# Altium PCB Copy of pcb-4layer-1oz-1.6mm.PcbDoc (part 2 of 3)
Units mm, origin at the board's own origin, x right, y up, seen from the top; angles counter-clockwise.
Board outline 208.5 x 86.9 mm, 4 copper layers (Top Layer, MID1, MID2, Bottom Layer), stack 1.579 mm thick; 542 components, 426 nets, 1550 pads, 320 vias.
Unrouted connection lines stored in the file: 532.
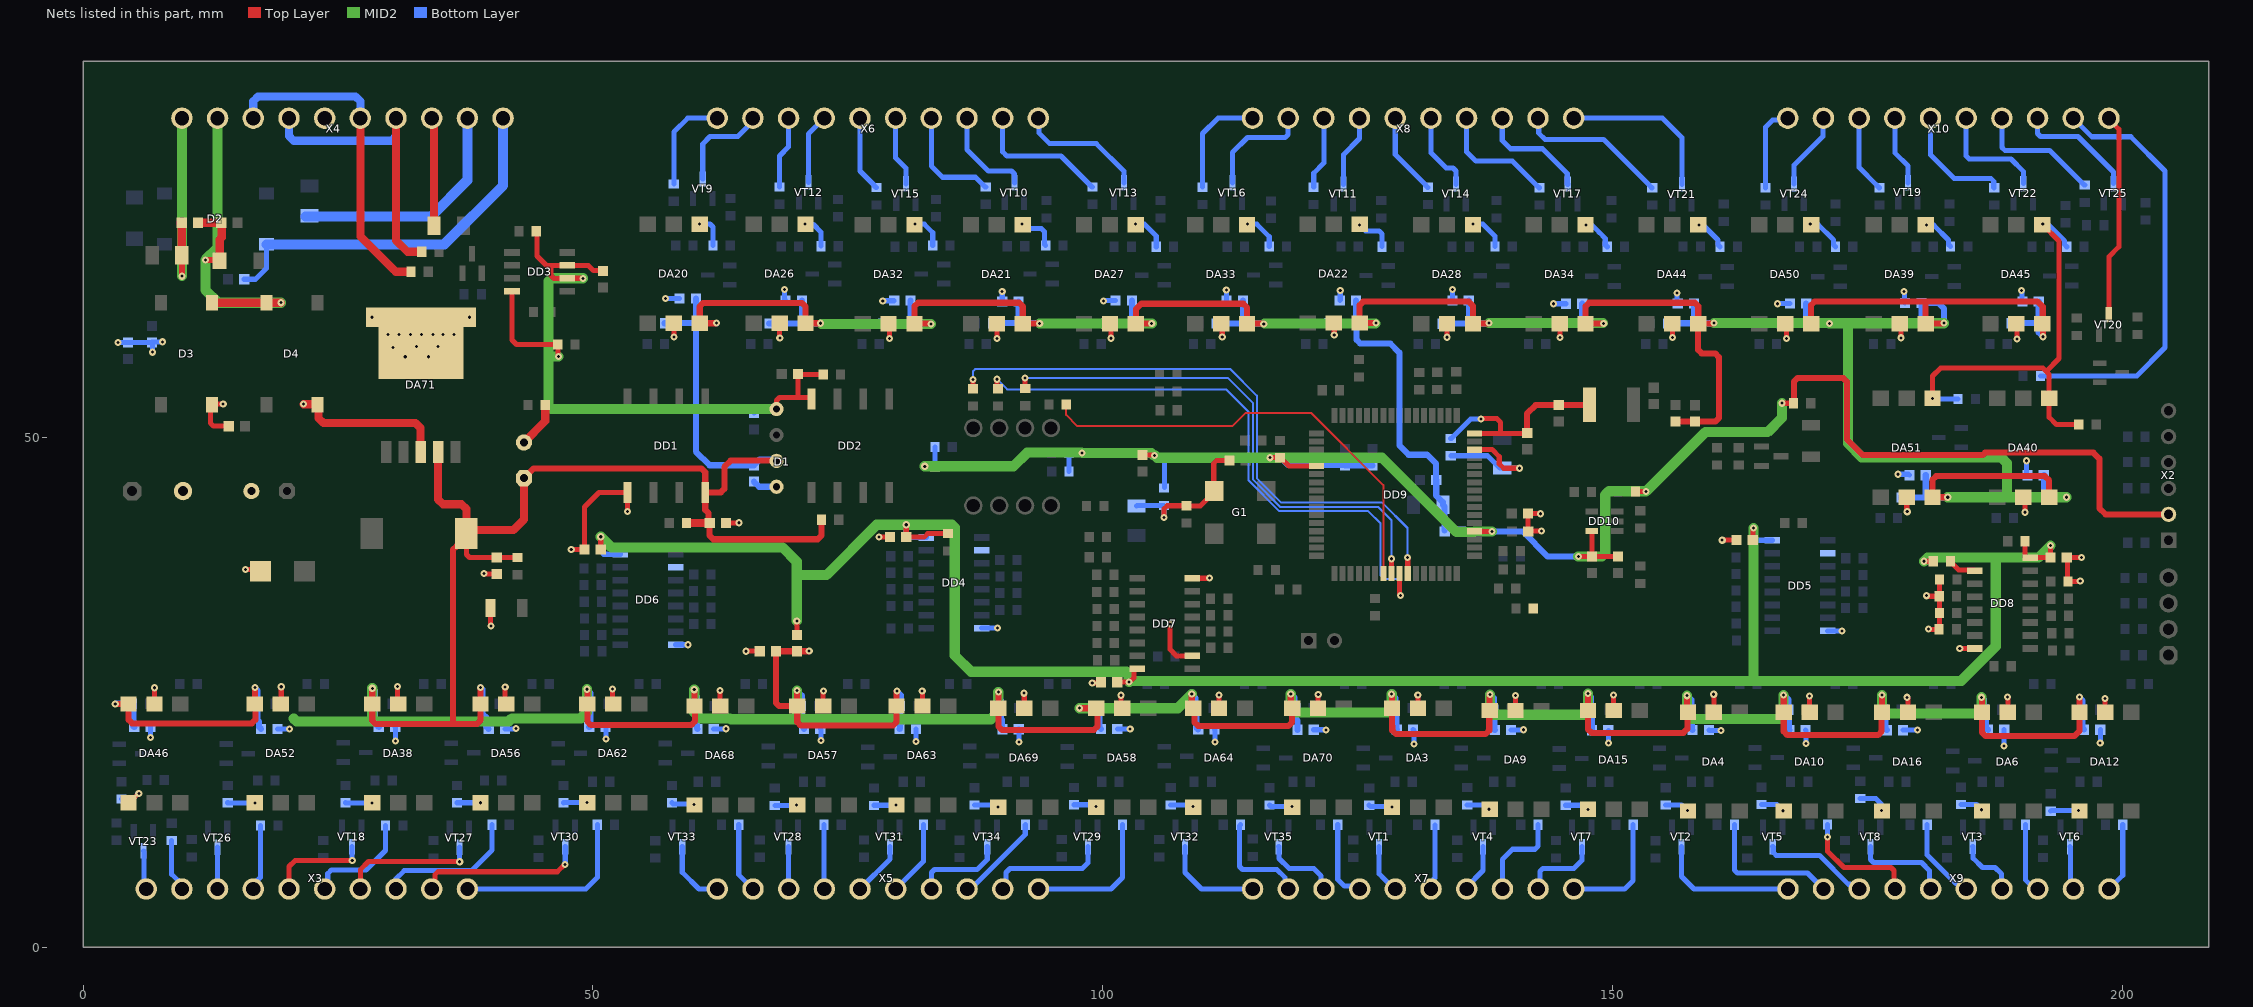
[diagram p4: the nets of this part, all layers, seen from the top]

## Part data
C1 C2 C3 C4 C5 C6 C7 C8 C9 C10 C11 C12 C13 C14 C15 C16 C17 C18 C19 C20 C21 C22 C23 C24 C25 C26 C27 C28 C29 C30 C31 C32 C33 C34 C35 C43 C44 C45 C46 C47 C48 C50 C51 C53 C54 C55 C56 C57 C58 C60 C61 C63 C70 C71: library part GRM188R71C104KA01D, Manufacturer="Murata Manufacturing", Power/Voltage=16V, TemperatureMax=125, TemperatureMin=-55, Tolerance=±10%, Comments=C0603, Height=0.9, ID=Конденсатор, iii="Конденсатор GRM188R71C104KA01D 100n 16V ±10% C0603 X7R  Murata Manufacturing", Package=C0603, Part Number=GRM188R71C104KA01D, TKE=X7R, Код=22
C36 C37 C38 C39 C40: library part GRM188R72A104KA35D, Manufacturer="Murata Manufacturing", Power/Voltage=100V, TemperatureMax=125, TemperatureMin=-55, Tolerance=±10%, Comments=C0603, Height=0.9, ID=Конденсатор, iii="Конденсатор GRM188R72A104KA35D 100n 100V ±10% C0603 X7R  Murata Manufacturing", Package=C0603, Part Number=GRM188R72A104KA35D, TKE=X7R, Код=24
C41 C59 C64 C65 C66: library part GRM1885C1H220JA01D, Manufacturer="Murata Manufacturing", Power/Voltage=50V, TemperatureMax=125, TemperatureMin=-55, Tolerance=±5%, Comments=C0603, ID=Конденсатор, iii="Конденсатор GRM1885C1H220JA01D 22p 50V ±5% C0603 c0g Murata Manufacturing", Package=C0603, Part Number=GRM1885C1H220JA01D, TKE=c0g, Код=80
C42: library part GRM188R71E104KA01D, Manufacturer="Murata Manufacturing", Power/Voltage=25V, TemperatureMax=125, TemperatureMin=-55, Tolerance=±10%, Comments=C0603, Height=0.9, ID=Конденсатор, iii="Конденсатор GRM188R71E104KA01D 100n 25V ±10% C0603 X7R  Murata Manufacturing", Package=C0603, Part Number=GRM188R71E104KA01D, TKE=X7R, Код=23
C49 C52 C62: library part GRM31CR71E106KA12L, Manufacturer="Murata Manufacturing", Power/Voltage=25V, TemperatureMax=125, TemperatureMin=-55, Tolerance=±10%, Comments=C1206, Height=1,5, ID=Конденсатор, iii="Конденсатор GRM31CR71E106KA12L 10mk 25V ±10% C1206 X7R  Murata Manufacturing", Package=C1206, Part Number=GRM31CR71E106KA12L, TKE=X7R, Код=62
C67: library part Capacitors_Aluminium, "ECAP (К50-35), 470мкФ, 35В, 105°C, 20%, 10x17мм P:5мм", Manufacturer="JB Capacitors", Package=D10H17P5, PartNumber=JRB1V471M05001000170000B, Temperature=-55...+105°C, Tolerance=±20%, TypeCapacitor="Aluminium capacitor", Voltage=35V, Impedance=54mOhm, ValueManufacturerPartNumber="Aluminium capacitor, 470μF, 35V, ±20%, 54mOhm, D10H17P5, -55...+105°C"
C68 C69: library part Capacitors_Aluminium, "ECAP (К50-35), 220мкФ, 35В, 105°C, 20%, 8x12мм P:3.5мм, Конденсатор электролитический алюминиевый", Manufacturer="JB Capacitors", Package=D8C3.5H12, PartNumber=JRB1V221M03500800120000B, Temperature=-55...+105°C, Tolerance=±20%, TypeCapacitor="Aluminium capacitor", Voltage=35V, Impedance=54mOhm, ValueManufacturerPartNumber="Aluminium capacitor, 220μF, 35V, ±20%, 54mOhm, D8C3.5H12, -55...+105°C"
D1: library part B0505S-1WR2, "DC/DC converter", Manufacturer=Mornsun, OutputVoltage="5V 200mA", Package=SIP-4, Temperature=-40...+105°C, ComponentType="DC/DC converter", HelpURL=https://www.chipdip.ru/product/b0505s-1wr2, OutputType=isolator, PartNumber=B0505S-1WR2, ValueManufacturerPartNumber="DC/DC converter, isolator, 5V 200mA, -40...+105°C, SIP-4"
D2 D3 D4: "SINGLE-PHASE SURFACE MOUNT BRIDGE RECTIFIER", Manufacturer="DC COMPONENTS", Power/Voltage=50V, TemperatureMax=150, TemperatureMin=-55, Com=DB101S, ComponentLink1Description=Datasheet, ComponentLink1URL=\\server_altium\ServerShare\Schematic\pdf\DB101S.pdf, ID="Диодный мост", iii="Диодный мост DB101S 1A 50V    DC COMPONENTS", Part Number=DB101S, Код=5
DA1 DA2 DA5 DA7 DA8 DA11 DA13 DA14 DA17 DA18 DA19 DA23 DA24 DA25 DA29 DA30 DA31 DA35 DA36 DA37 DA41 DA42 DA43 DA47 DA48 DA49 DA53 DA54 DA55 DA59 DA60 DA61 DA65 DA66 DA67: "Integrated Circuit", Manufacturer_Name="Texas Instruments", Mouser Part Number=595-TL431ACDBZR, Arrow Part Number=TL431ACDBZR, Arrow Price/Stock=https://www.arrow.com/en/products/tl431acdbzr/texas-instruments?region=nac, Datasheet Link=https://datasheet.datasheetarchive.com/originals/distributors/SFDatasheet-6/sf-000131849.pdf, Manufacturer_Part_Number=TL431ACDBZR, Mouser Price/Stock=https://www.mouser.co.uk/ProductDetail/Texas-Instruments/TL431ACDBZR?qs=odmYgEirbwzMcBuFx%2Fo8hQ%3D%3D, PartNumber=TL431ACDBZR
DA3 DA4 DA6 DA9 DA10 DA12 DA15 DA16 DA20 DA21 DA22 DA26 DA27 DA28 DA32 DA33 DA34 DA38 DA39 DA40 DA44 DA45 DA46 DA50 DA51 DA52 DA56 DA57 DA58 DA62 DA63 DA64 DA68 DA69 DA70: "Integrated Circuit", Manufacturer_Name="Iso Com", Datasheet Link=http://isocom.com/wp-content/uploads/2017/09/DD93224-H11L1_H11L1V-110817.pdf, Height=4.6mm, Manufacturer_Part_Number=H11L1SM, PartNumber=H11L1SM
DA71: "Integrated Circuit", Manufacturer_Name="Texas Instruments", Mouser Part Number=926-LM2596S-50, Arrow Part Number=LM2596S-5.0, Arrow Price/Stock=https://www.arrow.com/en/products/lm2596s-5.0/texas-instruments?region=nac, Datasheet Link=https://www.ti.com/lit/gpn/LM2596, Mouser Price/Stock=https://www.mouser.co.uk/ProductDetail/Texas-Instruments/LM2596S-5.0?qs=X1J7HmVL2ZGcOr96VNr%252B%2Fw%3D%3D, PartNumber=LM2596S-5.0
DD1 DD2: "Integrated Circuit", Manufacturer_Name="ON Semiconductor", Mouser Part Number=512-6N137SDM, Arrow Part Number=6N137SDM, Arrow Price/Stock=https://www.arrow.com/en/products/6n137sdm/on-semiconductor?region=nac, Datasheet Link=https://www.onsemi.com/pub/Collateral/HCPL2631M-D.pdf, Height=5.08mm, Mouser Price/Stock=https://www.mouser.co.uk/ProductDetail/ON-Semiconductor-Fairchild/6N137SDM?qs=wuRI32rFNSFC%252BTbDLj3kvw%3D%3D, PartNumber=6N137SDM
DD3: "Integrated Circuit", Manufacturer_Name="Maxim Integrated", Mouser Part Number=700-MAX13487EESA, Datasheet Link=http://docs-emea.rs-online.com/webdocs/13e4/0900766b813e41ed.pdf, Height=1.75mm, Mouser Price/Stock=https://www.mouser.co.uk/ProductDetail/Maxim-Integrated/MAX13487EESA%2b?qs=1THa7WoU59G338ZrcGWwYw%3D%3D, PartNumber=MAX13487EESA+
DD4 DD5 DD6 DD7 DD8: "Integrated Circuit", Arrow Part Number=74HC165D(BJ), Manufacturer_Name=Toshiba, Mouser Part Number=757-74HC165DBJ, Arrow Price/Stock=https://www.arrow.com/en/products/74hc165d-bj/toshiba?region=nac, Datasheet Link=https://www.arrow.com/en/products/74hc165d-bj/toshiba?region=nac, Height=1.75mm, Mouser Price/Stock=https://www.mouser.co.uk/ProductDetail/Toshiba/74HC165DBJ?qs=lQAVKuKFhkJom8fGze1o7Q%3D%3D, PartNumber=74HC165D(BJ)
DD9: "Integrated Circuit", Manufacturer_Name=Microchip, Mouser Part Number=556-ATMEGA64A-AU, Arrow Price/Stock=https://www.arrow.com/en/products/atmega64a-au/microchip-technology?region=nac, Datasheet Link=https://datasheet.datasheetarchive.com/originals/distributors/Datasheets_SAMA/61cd3663d987104d1956c12d3ceac457.pdf, Height=1.2mm, Manufacturer_Part_Number=ATMEGA64A-AU, Mouser Price/Stock=https://www.mouser.co.uk/ProductDetail/Microchip-Technology-Atmel/ATMEGA64A-AU?qs=RwPDB89%252B8xSA448I6y2Ecg%3D%3D, Part Number=ATMEGA64A-AU
DD10: "Integrated Circuit", Manufacturer_Name=STMicroelectronics, Mouser Part Number=511-STWD100NYWY3F, Arrow Part Number=STWD100NYWY3F, Arrow Price/Stock=https://www.arrow.com/en/products/stwd100nywy3f/stmicroelectronics?region=nac, Datasheet Link=https://datasheet.datasheetarchive.com/originals/distributors/Datasheets-DGA25/1683135.pdf, Height=1.45mm, Mouser Price/Stock=https://www.mouser.co.uk/ProductDetail/STMicroelectronics/STWD100NYWY3F?qs=jWm4idrLpzx15dHtESXwMQ%3D%3D, PartNumber=STWD100NYWY3F
FU1: library part Fuse, Manufacturer=1206-13V-075A-1, MaxCurrent=0.75A, Package=1206, VoltageMax=13, PartNumber=1206-13V-075A-1, ValueManufacturerPartNumber=", 13, 0.75A, 1206,"
FU2: library part Fuse, Manufacturer=046602.5NR, MaxCurrent=2.5A, Package=1206, VoltageMax=13, PartNumber=046602.5NR, ValueManufacturerPartNumber=", 13, 2.5A, 1206,"
G1: library part CSX-750FCC, "Кварцевый генератор 16МГц 5В,HCMOS/TTL в корпусе SMD 7x5мм; гк 16000 \\SMD07050C4\T/CM\5В\ CSX-750FCC\CITIZEN", Manufacturer_Name="Citizen Finetech Miyota", Datasheet Link=https://www.chipdip.ru/product0/8004482821, Height=1.6mm, Manufacturer_Part_Number=CSX-750FCC, Mouser Price/Stock=https://www.chipdip.ru/product0/8004482821, PartNumber=CSX-750FCC
L1 L2 L3 L4 L5: Package=L0603, Power/Voltage=3A, Com=BLM18PG330SN1D, ID="Ферритовая бусина", iii="Ферритовая бусина BLM18PG330SN1D 33 Ohm 3A  L0603", Part Number=BLM18PG330SN1D, Код=22
L6: library part B82432-A1103-K, Manufacturer=Epcos, Tolerance=±10%, Com=L1812, ID=Индуктивность, iii="Индуктивность B82432-A1103-K 10mk  ±10% L1812  Epcos", Package=L1812, Part Number=B82432-A1103-K, Код=16
L7: library part Inductor_, "CDRH104RNP-330NC", Manufacturer=Sumida, MaxCurrent=2.2A, Temperature=-55...+125°C, Tolerance=±20%, TypeInductor="Fixed inductor", Package=CDRH104RNP-330NC, PartNumber=CDRH104RNP-330NC, ValueManufacturerPartNumber="Fixed inductor, 33μH, ±20%, CDRH104RNP-330NC, 2.2A, -55...+125°C"
LED1 LED2: "LED", Manufacturer_Name=Lite-On, Mouser Part Number=859-LTST-C150KSKT, Arrow Part Number=LTST-C150KSKT, Arrow Price/Stock=https://www.arrow.com/en/products/ltst-c150kskt/lite-on-technology?region=nac, Datasheet Link=https://componentsearchengine.com/Datasheets/1/LTST-C150KSKT.pdf, Height=1.1mm, Manufacturer_Part_Number=LTST-C150KSKT, Mouser Price/Stock=https://www.mouser.co.uk/ProductDetail/Lite-On/LTST-C150KSKT?qs=BwFLjhzUaKkzXUKRSgwLjg%3D%3D
R1 R2 R5 R18 R19 R27 R35 R36 R49 R50 R51 R67 R68 R69 R85 R86 R87 R103 R104 R105 R121 R122 R123 R139 R140 R141 R157 R158 R159 R175 R176 R177 R193 R194 R195: library part RC0603FK-071KL, Manufacturer=Тайвань, Power/Voltage=0.063W/50V, TemperatureMax=155, TemperatureMin=-55, Tolerance=±1%, Comments=R0603, ID=Резистор, iii="Резистор RC0603FK-071KL 1k 0.063W/50V ±1% R0603  Тайвань", Package=R0603, Part Number=RC0603FK-071KL, Код=31
R3 R4 R6 R7 R8 R13 R15 R16 R20 R21 R22 R23 R24 R30 R31 R32 R33 R37 R38 R40 R41 R42 R47 R48 R52 R53 R54 R55 R56 R57 R64 R65 R66 R70 R71 R72 R73 R74 R77 R82 R83 R84 R88 R89 R90 R91 R92 R93 R100 R101 R102 R106 R107 R108 R109 R110 R111 R118 R119 R120 R124 R125 R126 R127 R128 R131 R136 R137 R138 R142 R143 R144 R145 R146 R147 R154 R155 R156 R160 R161 R162 R163 R164 R165 R172 R173 R174 R178 R179 R180 R181 R182 R185 R190 R191 R192 R196 R197 R198 R199 R200 R201 R208 R209 R210 R220 R221 R222 R223 R224 R225 R226 R227 R228 R229 R230 R231 R232 R234 R235 R236 R237 R238 R239 R241 R242 R243 R244 R246 R247 R248 R249 R250 R251 R252 R253 R254 R255 R256 R257 R258 R259 R260 R261 R262 R263 R264 R265 R269 R270 R271 R272: library part RC0603FK-0722RL, Manufacturer=Тайвань, Power/Voltage=0.063W/50V, TemperatureMax=155, TemperatureMin=-55, Tolerance=±1%, Comments=R0603, ID=Резистор, iii="Резистор RC0603FK-0722RL 22 0.063W/50V ±1% R0603  Тайвань", Package=R0603, Part Number=RC0603FK-0722RL, Код=11
R9 R10 R14 R25 R26 R34 R43 R44 R58 R59 R60 R75 R76 R78 R94 R95 R96 R112 R113 R114 R129 R130 R132 R148 R149 R150 R166 R167 R168 R183 R184 R186 R202 R203 R204: library part RC0603FK-07150RL, Manufacturer=Тайвань, Power/Voltage=0.063W/50V, TemperatureMax=155, TemperatureMin=-55, Tolerance=±1%, Comments=R0603, ID=Резистор, iii="Резистор RC0603FK-07150RL 150 0.063W/50V ±1% R0603  Тайвань", Package=R0603, Part Number=RC0603FK-07150RL, Код=17
R11 R12 R17 R28 R29 R39 R45 R46 R61 R62 R63 R79 R80 R81 R97 R98 R99 R115 R116 R117 R133 R134 R135 R151 R152 R153 R169 R170 R171 R187 R188 R189 R205 R206 R207 R233 R240 R245 R266 R267 R268 R273 R274: library part RC0603FK-0710KL, Manufacturer=Тайвань, Part Number=RC0603FR-0710KL, Power/Voltage=0.063W/50V, TemperatureMax=155, TemperatureMin=-55, Tolerance=±1%, Comments=R0603, ID=Резистор, iii="Резистор RC0603FK-0710KL 10k 0.063W/50V ±1% R0603  Тайвань", Package=R0603, Код=26
R211 R214 R217: library part RC0603FK-0710KL, Manufacturer=Тайвань, Part Number=RC0603FR-07120RL, Power/Voltage=0.063W/50V, TemperatureMax=155, TemperatureMin=-55, Tolerance=±1%, Comments=R0603, ID=Резистор, iii="Резистор RC0603FK-0710KL 10k 0.063W/50V ±1% R0603  Тайвань", Package=R0603, Код=26
R212 R213: library part RC0603FK-0710KL, Manufacturer=Тайвань, Part Number=RC0603FR-07360RL, Power/Voltage=0.063W/50V, TemperatureMax=155, TemperatureMin=-55, Tolerance=±1%, Comments=R0603, ID=Резистор, iii="Резистор RC0603FK-0710KL 10k 0.063W/50V ±1% R0603  Тайвань", Package=R0603, Код=26
R215 R216 R277 R278 R279 R280 R281 R282 R283 R284 R285 R287 R288 R291 R292 R293 R300 R301 R302 R308 R309 R310 R311 R312 R313: library part RC0603FK-0710KL, Manufacturer=Тайвань, Part Number=RC0603FR-0710RL, Power/Voltage=0.063W/50V, TemperatureMax=155, TemperatureMin=-55, Tolerance=±1%, Comments=R0603, ID=Резистор, iii="Резистор RC0603FK-0710KL 10k 0.063W/50V ±1% R0603  Тайвань", Package=R0603, Код=26
R218 R219: library part RC0603FK-0710KL, Manufacturer=Тайвань, Part Number=RC0603FR-074K7L, Power/Voltage=0.063W/50V, TemperatureMax=155, TemperatureMin=-55, Tolerance=±1%, Comments=R0603, ID=Резистор, iii="Резистор RC0603FK-0710KL 10k 0.063W/50V ±1% R0603  Тайвань", Package=R0603, Код=26
R275 R290 R295 R303 R305 R306: library part RC0603FK-0710KL, Manufacturer=Тайвань, Power/Voltage=0.063W/50V, TemperatureMax=155, TemperatureMin=-55, Tolerance=±1%, Comments=R0603, ID=Резистор, iii="Резистор RC0603FK-0710KL 10k 0.063W/50V ±1% R0603  Тайвань", Package=R0603, Part Number=RC0603FK-0710KL, Код=26
R276 R314: library part RC0603FK-07100RL, Manufacturer=Тайвань, Power/Voltage=0.063W/50V, TemperatureMax=155, TemperatureMin=-55, Tolerance=±1%, Comments=R0603, ID=Резистор, iii="Резистор RC0603FK-07100RL 100 0.063W/50V ±1% R0603  Тайвань", Package=R0603, Part Number=RC0603FK-07100RL, Код=16
R286 R289 R294 R296 R297 R298 R299 R304 R315: library part 0603_NC, Comments=R0603, ID=NC, iii="NC 0603_NC NC   R0603", Package=R0603, Part Number=0603_NC, Код=274
R307 R316 R318 R320: library part RC0603FK-07100KL, Manufacturer=Тайвань, Power/Voltage=0.063W/50V, TemperatureMax=155, TemperatureMin=-55, Tolerance=±1%, Comments=R0603, ID=Резистор, iii="Резистор RC0603FK-07100KL 100k 0.063W/50V ±1% R0603  Тайвань", Package=R0603, Part Number=RC0603FK-07100KL, Код=24
R317: library part RC0603FK-071K5L, Manufacturer=Тайвань, Power/Voltage=0.063W/50V, TemperatureMax=155, TemperatureMin=-55, Tolerance=±1%, Comments=R0603, ID=Резистор, iii="Резистор RC0603FK-071K5L 1.5k 0.063W/50V ±1% R0603  Тайвань", Package=R0603, Part Number=RC0603FK-071K5L, Код=22
R319 R321: library part RC0603FK-07470RL, Manufacturer=Тайвань, Power/Voltage=0.063W/50V, TemperatureMax=155, TemperatureMin=-55, Tolerance=±1%, Comments=R0603, ID=Резистор, iii="Резистор RC0603FK-07470RL 470 0.063W/50V ±1% R0603  Тайвань", Package=R0603, Part Number=RC0603FK-07470RL, Код=20
R322: library part RC1206FR-070R33L, Part Number=RC1206FR-07100RL, Power/Voltage=0.25W, Tolerance=±1%, Comments=R1206, ID=Резистор, iii=RC1206FR-07100RL, Package=R1206, Код=196
VD1: library part SM712.TCT, Manufacturer=Semtech, Package=SOT-23, Power/Voltage=12V/400W, TemperatureMax=125, TemperatureMin=-55, Com=SM712, ID="Защитный диод 2 канальный", iii="Защитный диод 2 канальный SM712.TCT  12V/400W  SOT-23  Semtech", Part Number=SM712.TCT, Код=32
VD2 VD3: "TVS Diode (Uni-directional)", Manufacturer_Name=STMicroelectronics, Mouser Part Number=511-SMAJ33A-TR, Arrow Part Number=SMAJ33A-TR, Arrow Price/Stock=https://www.arrow.com/en/products/smaj33a-tr/stmicroelectronics?region=europe, Datasheet Link=https://www.st.com/resource/en/datasheet/smaj10ca.pdf, Height=2.65mm, Mouser Price/Stock=https://www.mouser.co.uk/ProductDetail/STMicroelectronics/SMAJ33A-TR?qs=jwZhmErakJAmVBO%2Fr9%252BXpg%3D%3D, PartNumber=SMAJ33A-TR
VD4: "Diode", Manufacturer_Name="Taiwan Semiconductor", Mouser Part Number=821-SK34B, PartNumber=SK34, Datasheet Link=https://componentsearchengine.com/Datasheets/2/SK34B.pdf, Height=2.61mm, Mouser Price/Stock=https://www.mouser.co.uk/ProductDetail/Taiwan-Semiconductor/SK34B?qs=tHU%2FlV7kTyScurMVJgLz7Q%3D%3D
VT1 VT2 VT3 VT4 VT5 VT6 VT7 VT8 VT9 VT10 VT11 VT12 VT13 VT14 VT15 VT16 VT17 VT18 VT19 VT20 VT21 VT22 VT23 VT24 VT25 VT26 VT27 VT28 VT29 VT30 VT31 VT32 VT33 VT34 VT35 VT36: Manufacturer="NXP Semiconductor", Package=sot23, Power/Voltage=45V, Com=BC847, ID=Транзистор, iii="Транзистор BC847 0.1A 45V  sot23  NXP Semiconductor", Part Number=BC847, Код=2
X1: library part PBS-4, CurrentMax=3A, Manufacturer=Connfly, VoltageMax=500VAC, CommentText="\"Разъем\"", HelpURL=https://www.chipdip.ru/product/pbs-4, Multichannel=4pin, PartNumber=PBS-4, Pitch=2.54mm, TypeConnector=Connector, ValueManufacturerPartNumber="Connector, 4pin, 2.54mm, 500VAC, 3A"
X2 X11: Manufacturer="Dinkle Enterprise", ID=Коннектор
  X2: iii="Коннектор HDR1X6      Dinkle Enterprise", Part Number=HDR1X6, Код=13
  X11: iii="Коннектор HDR1X2      Dinkle Enterprise", Part Number=HDR1X2, Код=12
X3 X4 X5 X6 X7 X8 X9 X10: library part 15EDGVC-3.5-10P-14-00A(H), CurrentMax=10A, Manufacturer=Degson, VoltageMax=300VAC, CommentText="\"Разъем\"", Multichannel=6pin, PartNumber=15EDGVC-3.5-10P-14-00A(H), Pitch=3.5mm, TypeConnector="Terminal connector", ValueManufacturerPartNumber="Terminal connector, 6pin, 3.5mm, 300VAC, 10A"
SB1: ID="Переключатель DIP", iii="Переключатель DIP DS1040-04RN", Part Number=DS1040-04RN, Код=51

## Via types
v1: diameter 0.7, hole 0.3, Top Layer to Bottom Layer, 305 vias
v2: diameter 0.65, hole 0.3, Top Layer to Bottom Layer, 15 vias

## Nets (pads, with @x,y where several pads share a name; then routed paths per layer and width w, separated by ;. In a path a pad name is that pad's centre, name@x,y a point inside that pad or via, vN(x,y) a via of type N, cw(c..) or ccw(c..) an arc to the next point about the centre after c; other vN are vias at no path point)
1: R55.2 X6.1 | length 9.9
  Bottom Layer w0.5: R55.2@57.938,74.85 57.938,79.938 59.301,81.301 X6.1@62.193,81.301
2: VT9.3 X6.2 | length 9.6
  Bottom Layer w0.5: VT9.3@60.773,75.317 60.773,78.773 61.5,79.5 64.207,79.5 65.693,80.986 X6.2@65.693,81.301
3: R73.2 X6.3 | length 7.1
  Bottom Layer w0.5: R73.2@68.319,74.552 68.319,77.581 68.3,77.6 69.193,78.493 X6.3@69.193,81.301
4: VT12.3 X6.4 | length 6.9
  Bottom Layer w0.5: VT12.3@71.134,75.001 71.134,79.742 X6.4@72.693,81.301
5: R91.2 X6.5 | length 7.5
  Bottom Layer w0.5: X6.5@76.193,81.301 76.193,76.125 77.577,74.742 77.577,74.692 77.777,74.492 R91.2@77.827,74.492
6: VT15.3 X6.6 | length 6.9
  Bottom Layer w0.5: X6.6@79.693,81.301 79.693,77.407 80.708,76.392 VT15.3@80.708,74.859
7: R56.2 X6.7 | length 10.9
  Bottom Layer w0.5: X6.7@83.193,81.301 83.193,76.607 84.3,75.5 87.531,75.5 88.479,74.552 R56.2@88.529,74.552
8: VT10.3 X6.8 | length 9.6
  Bottom Layer w0.5: X6.8@86.693,81.301 86.693,78.207 88.788,76.112 91.069,76.112 91.361,75.819 91.361,74.965 VT10.3@91.348,74.952
9: R74.2 X6.9 | length 13.5
  Bottom Layer w0.5: X6.9@90.193,81.301 90.193,78.007 90.6,77.6 95.907,77.6 98.955,74.552 R74.2@99.005,74.552
10: VT13.3 X6.10 | length 12.5
  Bottom Layer w0.5: X6.10@93.693,81.301 93.769,81.226 93.769,79.831 94.8,78.8 99.382,78.8 102.076,76.106 VT13.3@102.076,74.955
11: R92.2 X8.1 | length 10.8
  Bottom Layer w0.5: R92.2@109.802,74.531 109.802,79.802 111.301,81.301 X8.1@114.693,81.301
12: VT16.3 X8.2 | length 10.8
  Bottom Layer w0.5: VT16.3@112.72,74.952 112.72,77.92 114.2,79.4 117.9,79.4 118.193,79.693 X8.2@118.193,81.301
13: R57.2 X8.3 | length 7.2
  Bottom Layer w0.5: R57.2@120.687,74.53 120.7,74.543 120.7,75.9 121.693,76.893 X8.3@121.693,81.301
14: VT11.3 X8.4 | length 7.1
  Bottom Layer w0.5: VT11.3@123.609,74.82 123.609,77.709 125.193,79.293 X8.4@125.193,81.301
15: R77.2 X8.5 | length 8.1
  Bottom Layer w0.5: X8.5@128.693,81.301 128.693,77.732 131.658,74.767 131.658,74.717 131.858,74.517 R77.2@131.908,74.517
16: VT14.3 X8.6 | length 7.9
  Bottom Layer w0.5: X8.6@132.193,81.301 132.193,77.907 133.7,76.4 134.37,76.4 134.663,76.107 VT14.3@134.663,74.82
17: R93.2 X8.7 | length 11.9
  Bottom Layer w0.5: X8.7@135.693,81.301 135.693,78.007 136.6,77.1 140.177,77.1 142.8,74.477 R93.2@142.85,74.477
18: VT17.3 X8.8 | length 11
  Bottom Layer w0.5: X8.8@139.193,81.301 139.193,79.107 140,78.3 143.15,78.3 145.568,75.882 145.568,74.868 VT17.3@145.616,74.82
19: R127.2 X8.9 | length 14.8
  Bottom Layer w0.5: X8.9@142.693,81.301 142.769,81.226 142.769,79.831 143.4,79.2 149.138,79.2 153.646,74.693 153.646,74.677 153.846,74.477 R127.2@153.861,74.477
20: VT21.3 X8.10 | length 16
  Bottom Layer w0.5: X8.10@146.193,81.301 154.899,81.301 156.817,79.383 VT21.3@156.817,74.784
21: R145.2 X10.1 | length 8.5
  Bottom Layer w0.5: R145.2@165.024,74.477 165.024,80.424 165.7,81.1 166.992,81.1 X10.1@167.193,81.301
22: VT24.3 X10.2 | length 7.7
  Bottom Layer w0.5: VT24.3@167.808,74.826 167.808,76.689 170.638,79.519 170.638,81.246 X10.2@170.693,81.301
23: R110.2 X10.3 | length 7.7
  Bottom Layer w0.5: X10.3@174.193,81.301 174.193,76.459 175.925,74.727 175.925,74.677 176.125,74.477 R110.2@176.175,74.477
24: VT19.3 X10.4 | length 6.9
  Bottom Layer w0.5: X10.4@177.693,81.301 177.693,77.907 178.979,76.621 VT19.3@178.979,74.969
25: R128.2 X10.5 | length 11.5
  Bottom Layer w0.5: X10.5@181.193,81.301 181.193,77.707 183.5,75.4 187.107,75.4 187.4,75.107 187.4,74.515 R128.2@187.438,74.477
26: VT22.3 X10.6 | length 11.1
  Bottom Layer w0.5: X10.6@184.693,81.301 184.693,77.593 184.986,77.3 189.079,77.3 190.297,76.082 VT22.3@190.297,74.884
27: R146.2 X10.7 | length 12.5
  Bottom Layer w0.5: X10.7@188.193,81.301 188.193,78.434 188.486,78.141 192.868,78.141 196.273,74.737 R146.2@196.323,74.737
28: VT25.3 X10.8 | length 11.7
  Bottom Layer w0.5: X10.8@191.693,81.301 191.693,79.793 191.986,79.5 195.669,79.5 199.139,76.03 VT25.3@199.139,74.878
29: R111.2 X10.9 | length 41.8
  Bottom Layer w0.5: R111.2@191.968,56.022 201.422,56.022 204.2,58.8 204.2,76.109 200.833,79.476 197.018,79.476 X10.9@195.193,81.301
30: VT20.3 X10.10 | length 20.1
  Top Layer w0.5: VT20.3@198.68,62.006 198.686,62.013 198.686,67.718 199.66,68.691 199.66,80.208 198.693,81.175 X10.10@198.693,81.301
31: R131.2 X3.9 | length 5.2
  Bottom Layer w0.5: R131.2@8.689,10.442 8.689,7.135 9.693,6.131 X3.9@9.693,5.698
32: VT23.3 X3.10 | length 3.8
  Bottom Layer w0.5: VT23.3@5.926,9.437 5.976,9.387 5.976,5.916 X3.10@6.193,5.698
33: R147.2 X3.7 | length 6.5
  Bottom Layer w0.5: X3.7@16.693,5.698 16.693,6.131 17.406,6.844 R147.2@17.406,11.938
34: VT26.3 X3.8 | length 4.1
  Bottom Layer w0.5: VT26.3@13.187,9.788 13.19,9.785 13.19,5.701 X3.8@13.193,5.698
35: R109.2 X3.5 | length 10.7
  Bottom Layer w0.5: X3.5@23.693,5.698 23.999,6.004 23.999,7.199 24.35,7.55 27.75,7.55 29.673,9.473 R109.2@29.673,11.938
36: VT18.3 X3.6 | length 10
  Top Layer w0.5: X3.6@20.193,5.698 20.193,7.893 20.8,8.5 v1(26.4,8.5)
  Bottom Layer w0.5: VT18.3@26.361,9.853 26.361,8.539 v1(26.4,8.5)
37: R163.2 X3.3 | length 14.1
  Bottom Layer w0.5: X3.3@30.693,5.698 30.7,5.705 30.7,6.707 31.493,7.5 38.1,7.5 40.106,9.506 R163.2@40.106,12.003
38: VT27.3 X3.4 | length 13.4
  Top Layer w0.5: X3.4@27.193,5.698 27.193,7.593 28,8.4 36.907,8.4 v1(36.938,8.368)
  Bottom Layer w0.5: VT27.3@36.917,9.788 36.917,8.39 v1(36.938,8.368)
39: R181.2 X3.1 | length 18.4
  Bottom Layer w0.5: X3.1@37.693,5.698 49.298,5.698 50.435,6.835 R181.2@50.435,12.003
40: VT30.3 X3.2 | length 16.5
  Top Layer w0.5: X3.2@34.193,5.698 34.499,6.004 34.499,7.095 34.792,7.388 46.509,7.388 47.208,8.087 v1(47.262,8.087)
  Bottom Layer w0.5: v1(47.262,8.087) 47.288,8.112 VT30.3@47.288,9.853
41: R199.2 X5.9 | length 6.9
  Bottom Layer w0.5: R199.2@64.304,12.003 64.304,7.101 X5.9@65.707,5.698
42: VT33.3 X5.10 | length 6.6
  Bottom Layer w0.5: VT33.3@58.766,9.853 58.766,7.334 60.402,5.698 X5.10@62.207,5.698
43: R164.2 X5.7 | length 6.3
  Bottom Layer w0.5: R164.2@72.656,12.003 72.681,11.978 72.681,5.723 X5.7@72.707,5.698
44: VT28.3 X5.8 | length 4.2
  Bottom Layer w0.5: VT28.3@69.185,9.853 69.196,9.843 69.196,5.709 X5.8@69.207,5.698
45: R182.2 X5.5 | length 7.4
  Bottom Layer w0.5: X5.5@79.707,5.698 82.421,8.412 R182.2@82.421,12.003
46: VT31.3 X5.6 | length 5.4
  Bottom Layer w0.5: X5.6@76.207,5.698 79.135,8.626 VT31.3@79.135,9.853
47: R200.2 X5.3 | length 8.9
  Bottom Layer w0.5: X5.3@86.707,5.698 87.06,5.698 92.409,11.046 92.409,11.972 R200.2@92.44,12.003
48: VT34.3 X5.4 | length 8.9
  Bottom Layer w0.5: X5.4@83.207,5.698 83.207,7.307 83.499,7.6 87.689,7.6 88.677,8.588 VT34.3@88.677,9.853
49: R165.2 X5.1 | length 13.9
  Bottom Layer w0.5: X5.1@93.707,5.698 100.807,5.698 101.938,6.829 R165.2@101.938,12.003
50: VT29.3 X5.2 | length 11.8
  Bottom Layer w0.5: X5.2@90.207,5.698 90.513,6.004 90.513,7.313 90.9,7.7 98,7.7 98.545,8.245 VT29.3@98.545,9.853
51: R185.2 X7.9 | length 10.3
  Bottom Layer w0.5: R185.2@113.534,12.003 113.414,11.883 113.414,7.908 113.707,7.615 117.085,7.615 117.9,6.8 117.9,6.004 X7.9@118.207,5.698
52: VT32.3 X7.10 | length 9.8
  Bottom Layer w0.5: VT32.3@108.085,9.853 108.085,7.315 109.702,5.698 X7.10@114.707,5.698
53: R201.2 X7.7 | length 7.9
  Bottom Layer w0.5: R201.2@123.059,12.003 123.059,6.641 123.7,6 124.905,6 X7.7@125.207,5.698
54: VT35.3 X7.8 | length 7.4
  Bottom Layer w0.5: VT35.3@117.268,9.853 117.3,9.822 117.3,8.7 118.3,7.7 120.7,7.7 121.432,6.968 121.432,5.973 X7.8@121.707,5.698
55: R6.2 X7.5 | length 6.4
  Bottom Layer w0.5: X7.5@132.207,5.698 132.513,6.004 132.513,6.725 132.579,6.791 R6.2@132.579,11.953
56: VT1.3 X7.6 | length 4.9
  Bottom Layer w0.5: VT1.3@127.117,9.853 127.117,7.183 127.5,6.8 128.602,5.698 X7.6@128.707,5.698
57: R23.2 X7.3 | length 9
  Bottom Layer w0.5: X7.3@139.207,5.698 139.207,8.607 140.2,9.6 142.4,9.6 142.709,9.909 R23.2@142.709,12.003
58: VT4.3 X7.4 | length 4.8
  Bottom Layer w0.5: X7.4@135.707,5.698 135.707,5.897 137.31,7.5 VT4.3@137.31,9.853
59: R41.2 X7.1 | length 11.6
  Bottom Layer w0.5: X7.1@146.207,5.698 151.198,5.698 152.033,6.533 R41.2@152.033,12.003
60: VT7.3 X7.2 | length 7.7
  Bottom Layer w0.5: X7.2@142.707,5.698 142.875,5.866 142.875,7.407 143.168,7.7 146.2,7.7 146.996,8.496 VT7.3@146.996,9.853
61: R7.2 X9.9 | length 14
  Bottom Layer w0.5: R7.2@161.953,12.003 161.953,7.557 162.246,7.264 169.14,7.264 X9.9@170.707,5.698
62: VT2.3 X9.10 | length 13.9
  Bottom Layer w0.5: VT2.3@156.77,9.853 156.77,6.93 158.002,5.698 X9.10@167.207,5.698
63: R24.2 X9.7 | length 11.8
  Top Layer w0.5: v1(171.1,10.8) 171.1,9.4 172.7,7.8 177.307,7.8 177.6,7.507 177.6,5.805 X9.7@177.707,5.698
  Bottom Layer w0.5: R24.2@171.081,12.019 171.081,10.819 v1(171.1,10.8)
64: VT5.3 X9.8 | length 10.5
  Bottom Layer w0.5: VT5.3@165.722,9.853 165.772,9.803 165.772,9.293 166.065,9 170.298,9 173.131,6.168 173.304,6.168 173.774,5.698 X9.8@174.207,5.698
65: R42.2 X9.5 | length 8.2
  Bottom Layer w0.5: R42.2@180.867,11.997 180.867,9.033 183.682,6.218 183.753,6.218 184.274,5.698 X9.5@184.707,5.698
66: VT8.3 X9.6 | length 9.4
  Bottom Layer w0.5: VT8.3@175.308,9.853 175.308,8.593 175.601,8.3 180.3,8.3 181.102,7.498 181.102,5.803 X9.6@181.207,5.698
67: R13.2 X9.3 | length 7
  Bottom Layer w0.5: R13.2@190.494,12.003 190.494,6.606 191.402,5.698 X9.3@191.707,5.698
68: VT3.3 X9.4 | length 6.1
  Bottom Layer w0.5: VT3.3@185.339,9.869 185.377,9.831 185.377,8.706 186.284,7.8 187.528,7.8 188.146,7.183 188.146,5.759 X9.4@188.207,5.698
69: R33.2 X9.1 | length 6.9
  Bottom Layer w0.5: X9.1@198.707,5.698 200.051,7.042 R33.2@200.051,12.003
70: VT6.3 X9.2 | length 4.3
  Bottom Layer w0.5: VT6.3@194.883,9.853 194.933,9.803 194.933,5.971 X9.2@195.207,5.698
71: R215.1 X4.3 X4.6 | length 32.2
  Top Layer w0.8: X4.6@27.193,81.301 27.193,69.707 30.4,66.5 30.666,66.234 R215.1@32.159,66.234
  Bottom Layer w0.8: X4.3@16.693,81.301 16.693,82.963 17.162,83.431 26.725,83.431 27.193,82.963 X4.6@27.193,81.301
72: R216.1 X4.4 X4.7 | length 29.4
  Top Layer w0.8: X4.7@30.693,81.301 30.693,69.307 31.804,68.196 R216.1@33.224,68.196
  Bottom Layer w0.8: X4.4@20.193,81.301 20.193,79.549 20.662,79.08 30.225,79.08 30.693,79.549 X4.7@30.693,81.301
73: R322.2 X4.5 X4.8 | length 10.6
  Top Layer w0.8: X4.8@34.193,81.301 34.418,81.076 R322.2@34.418,70.755
74: FU1.1 X4.9 | length 23.5
  Bottom Layer w1: FU1.1@21.802,71.667 34.167,71.667 37.693,75.193 X4.9@37.693,81.301
75: C41.2 D2.4 X4.10 | length 37.2
  Bottom Layer w0.5: C41.2@15.8,65.5 16.914,65.5 17.982,66.568 D2.4@17.982,68.922
  Bottom Layer w1: D2.4@17.982,68.922 35.422,68.922 41.193,74.693 X4.10@41.193,81.301
76: C71.1 FU2.1 X4.1 | length 20.8
  Top Layer w0.6: FU2.1@9.678,67.838 9.689,67.827 9.689,65.811 v1(9.7,65.8)
  Top Layer w0.8: FU2.1@9.678,67.838 C71.1@9.678,71.044
  Top Layer w1: C71.1@9.676,71.047 C71.1@9.678,71.044
  MID2 w1: v1@9.693,65.807 X4.1@9.693,81.301
77: C65.2 C71.2 D3.3 D4.4 VD3.2 X4.2 | length 39.5
  Top Layer w0.6: v1(12,67.4) VD3.2@13.295,67.4
  Top Layer w0.8: C71.2@11.276,71.047 C65.2@13.547,71.047 13.6,70.994 13.6,69.6 13.4,69.4 13.4,67.332 VD3.2@13.382,67.313 VD3.2@13.295,67.4 ; D3.3@12.7,63.3 12.799,63.201 D4.4@17.982,63.201 v1(19.4,63.2)
  MID2 w1: X4.2@13.193,81.301 13.193,68.593 v1(12,67.4) 12,64.451 13.251,63.2 v1(19.4,63.2)
+5: C1.1 C2.1 C3.1 C4.1 C5.1 C6.1 C7.1 C8.1 C9.1 C10.1 C11.1 C12.1 C13.1 C14.1 C15.1 C16.1 C17.1 C18.1 C19.1 C20.1 C21.1 C22.1 C23.1 C24.1 C25.1 C26.1 C27.1 C28.1 C29.1 C30.1 C31.1 C32.1 C33.1 C34.1 C35.1 C36.2 C37.1 C43.1 C49.1 C51.1 C60.1 C69.1 C70.1 D1.2 DA3.6 DA4.6 DA6.6 DA9.6 DA10.6 DA12.6 DA15.6 DA16.6 DA20.6 DA21.6 DA22.6 DA26.6 DA27.6 DA28.6 DA32.6 DA33.6 DA34.6 DA38.6 DA39.6 DA40.6 DA44.6 DA45.6 DA46.6 DA50.6 DA51.6 DA52.6 DA56.6 DA57.6 DA58.6 DA62.6 DA63.6 DA64.6 DA68.6 DA69.6 DA70.6 DA71.4 DD1.8 L2.1 L3.1 L5.1 L7.1 R11.2 R12.2 R17.2 R28.2 R29.2 R39.2 R45.2 R46.2 R61.2 R62.2 R63.2 R79.2 R80.2 R81.2 R97.2 R98.2 R99.2 R115.2 R116.2 R117.2 R133.2 R134.2 R135.2 R151.2 R152.2 R153.2 R169.2 R170.2 R171.2 R187.2 R188.2 R189.2 R205.2 R206.2 R207.2 R211.2 R212.2 R321.2 | length 902.9
  Top Layer w0.5: L7.1@37.598,40.559 37.598,40.134 37.598,38.493 37.891,38.2 40.577,38.2 C70.1@40.582,38.205 40.592,38.215 42.608,38.215 R321.2@42.619,38.226
  Top Layer w0.6: v1(3.158,23.851) v1(3.158,23.851) 4.459,23.851 DA46.6@4.46,23.85 4.46,22.291 4.811,21.939 16.549,21.939 16.9,22.291 16.9,23.796 DA52.6@16.846,23.85 16.846,25.443 v1(16.848,25.445) ; v1(28.367,25.381) v1(28.367,25.381) DA38.6@28.368,23.85 28.368,22.219 28.719,21.868 36.277,21.868 ; L7.1@37.6,40.561 37.6,40.136 37.598,40.134 36.798,39.334 36.628,39.334 36.277,38.982 36.277,21.868 ; v1(38.989,25.472) 38.976,25.459 DA56.6@38.976,23.85 38.976,22.219 38.624,21.868 36.277,21.868 ; C69.1@43.238,45.994 44.169,46.925 60.67,46.925 61.022,46.573 DD1.8@61.022,44.598 ; v1(49.411,25.29) 49.411,25.263 49.462,25.213 49.462,23.852 DA62.6@49.46,23.85 49.46,22.126 49.811,21.775 59.649,21.775 60,22.126 60,23.606 DA68.6@59.962,23.644 59.954,23.652 59.954,25.235 v1(59.945,25.243) ; v1(62.114,61.203) 62.1,61.189 DA20.6@60.478,61.189 60.478,62.836 60.829,63.187 70.495,63.187 70.847,62.836 DA26.6@70.847,61.201 ; C43.1@67.965,29.021 67.965,23.938 68.251,23.651 68.449,23.651 68.456,23.644 DA57.6@70.043,23.644 ; C43.1@67.966,29.02 L2.1@70.03,29.02 ; D1.2@67.986,47.709 63.509,47.709 62.9,47.1 62.9,44.951 62.549,44.6 61.024,44.6 DD1.8@61.022,44.598 ; v1(70.023,25.169) 70.033,25.159 70.033,23.654 DA57.6@70.043,23.644 ; L2.1@70.03,29.02 71.212,29.02 v1(71.217,29.025) ; DA26.6@70.859,61.189 72.337,61.189 v1(72.341,61.184) ; R212.2@72.411,41.918 72.411,40.351 72.059,40 61.809,40 61.457,40.351 C37.1@61.457,41.587 61.348,41.696 61.348,42.552 61.022,42.878 DD1.8@61.022,44.598 ; v1(79.824,25.107) 79.789,25.071 DA63.6@79.789,23.644 79.789,22.083 79.437,21.732 70.395,21.732 70.043,22.083 DA57.6@70.043,23.644 ; v1(83.178,61.116) 83.151,61.116 83.118,61.15 DA32.6@81.54,61.15 81.54,62.849 81.891,63.2 91.8,63.2 92.16,62.84 DA21.6@92.16,61.15 92.164,61.154 93.82,61.154 v1(93.824,61.159) ; v1(89.772,25.025) DA69.6@89.771,23.428 89.771,21.651 90.123,21.3 99.149,21.3 99.5,21.651 99.5,23.305 DA58.6@99.378,23.428 97.748,23.428 v1(97.744,23.431) ; v1@104.81,61.15 DA27.6@103.255,61.15 103.255,62.555 103.8,63.1 113.804,63.1 114.155,62.749 DA33.6@114.155,61.15 115.75,61.15 v1(115.8,61.1) ; v1(108.738,24.811) 108.738,23.567 DA64.6@108.877,23.428 109,23.305 109,22.051 109.351,21.7 118.228,21.7 118.58,22.051 DA70.6@118.58,23.428 118.446,23.561 v1(118.446,24.83) ; v1(126.8,61.2) 126.799,61.201 DA22.6@125.201,61.201 125.201,62.949 125.552,63.3 135.9,63.3 136.313,62.887 DA28.6@136.313,61.15 137.85,61.15 v1(137.9,61.2) ; v1(128.345,24.802) 128.381,24.766 DA3.6@128.381,23.428 128.381,21.719 128.4,21.7 128.4,21.251 128.751,20.9 137.56,20.9 137.911,21.251 137.911,23.167 DA9.6@137.957,23.213 137.957,24.747 v1(137.996,24.787) ; v1(147.591,24.877) 147.598,24.869 DA15.6@147.598,23.213 147.598,21.351 147.95,21 156.949,21 157.344,21.395 157.344,22.983 DA4.6@157.406,23.045 157.323,23.128 v1(157.323,24.658) ; v1(149.141,61.166) 149.124,61.15 DA34.6@147.361,61.15 147.361,62.849 147.712,63.2 158.066,63.2 158.417,62.849 DA44.6@158.417,61.15 158.446,61.178 159.93,61.178 v1(159.949,61.198) ; L5.1@156.189,51.555 156.198,51.547 158.083,51.547 C60.1@158.091,51.538 160.083,51.538 160.435,51.89 160.435,57.872 160.083,58.224 158.758,58.224 158.406,58.575 DA44.6@158.406,61.139 ; v1(166.788,24.72) 166.799,24.709 DA10.6@166.799,23.045 166.799,21.151 167.151,20.8 176.049,20.8 176.4,21.151 176.4,23.002 DA16.6@176.443,23.045 176.443,24.723 v1(176.446,24.726) ; DA50.6@169.481,61.15 169.481,62.976 169.833,63.327 180.366,63.327 ; 180.373,63.321 191.679,63.321 192.2,62.8 192.2,61.195 DA45.6@192.155,61.15 192.216,61.089 192.216,59.878 v1(192.235,59.859) ; 180.718,63.3 DA39.6@180.718,61.15 182.45,61.15 v1(182.5,61.2) ; v1(182.885,44.118) 182.882,44.116 DA51.6@181.387,44.116 181.387,45.849 181.739,46.2 192.4,46.2 192.83,45.77 DA40.6@192.83,44.116 ; v1(186.2,24.5) 186.2,24.473 186.237,24.436 DA6.6@186.237,23.045 186.237,21.051 186.589,20.7 195.3,20.7 195.808,21.208 v1(195.808,24.514)